# Altium PCB PCB_Rev1.1.PcbDoc (part 1 of 3) (continued)
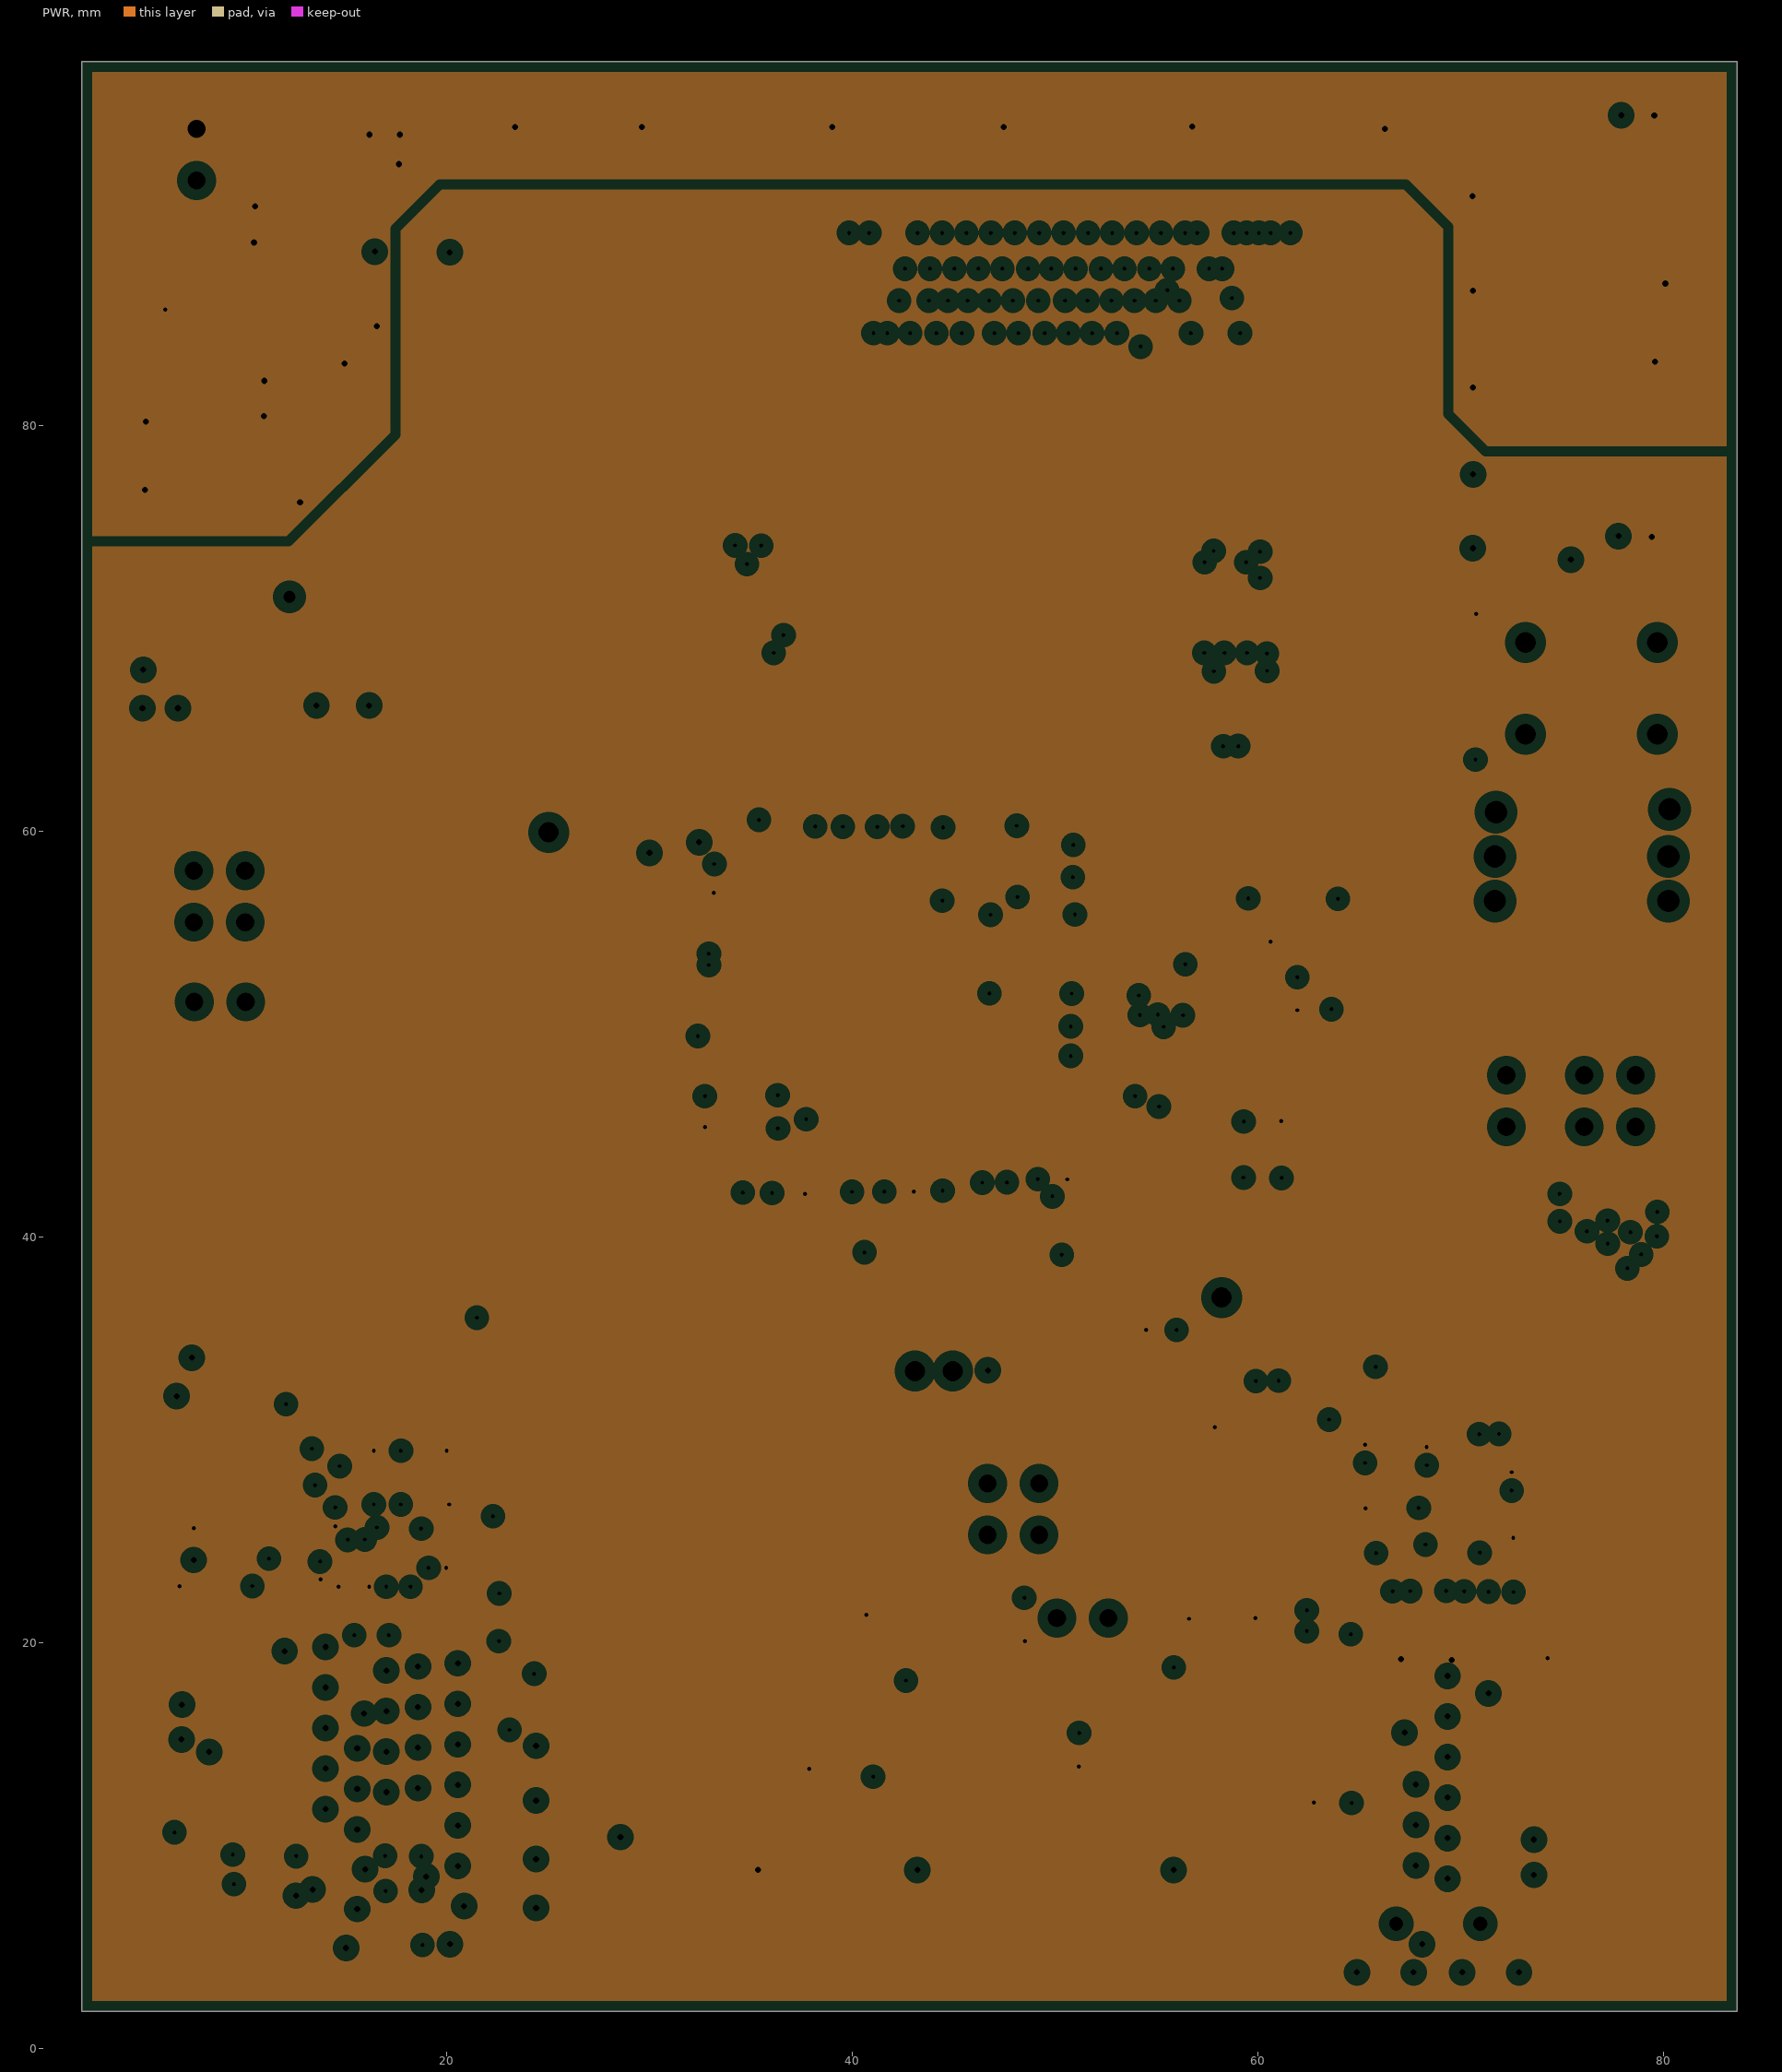
[diagram p3: PWR, clearances drawn from the general rule]

## Layer stack, top to bottom
Top Solder: solder mask 0.0102, Solder Resist, Dk 3.5
Top Layer: signal copper 0.035
Dielectric 1-2: prepreg 0.11, PP-015, Dk 4.29
GND: plane copper 0.035, net GND
Dielectric 2-3: dielectric 1.13, FR-4, Dk 3.96
PWR: plane copper 0.035, net VCC_3V3
Dielectric 3-4: prepreg 0.11, PP-015, Dk 4.29
Bottom Layer: signal copper 0.035
Bottom Solder: solder mask 0.0102, Solder Resist, Dk 3.5

## Board outline
1.994,1.817 83.612,1.817 83.612,97.944 1.994,97.944

## Design rules (kind name [scope] priority, off if disabled: settings)
Clearance PolygonAll [InNamedPolygon('Top Layer-GND') Or  InNamedPolygon('Top Layer-GND 4') Or  InNamedPolygon('Top Layer-GND 3') Or  InNamedPolygon('Top Layer-GND 2')] p1: gap=0.254 ignorepadtopadclearanceinfootprint=FALSE
Clearance [All] p2: gap=0.102 ignorepadtopadclearanceinfootprint=TRUE
ComponentClearance [All] p1: gap=0.025 collisioncheckmode=3 verticalgap=0.254 showdistances=FALSE
DiffPairsRouting DiffPair_Diff90DiffPairsRouting [InDifferentialPairClass('Diff90')] p1: maxlimit=0.127 minlimit=0.127 mostfreqgap=0.127 toplayer_minwidth=0.15 toplayer_maxwidth=0.15 toplayer_prefwidth=0.15 bottomlayer_minwidth=0.15 bottomlayer_maxwidth=0.15 bottomlayer_prefwidth=0.15 impedanceprofiledriven=TRUE impedanceprofileid={36EED981-CA02-47C6-A2B9-BB8A9E5AD734} maxuncoupledlength=12.7
HoleSize [All] p1: absolutevalues=TRUE maxlimit=2.54 minlimit=0.2 maxpercent=80.000 minpercent=20.000
HoleToHoleClearance [All] p1: gap=0.1 allowstackedmicrovias=TRUE
MatchedLengths "Schematic Matched Net Lengths_1" [InNetClass('FT601FIFO')] p1: tolerance=24.5 checknetsindiffpair=FALSE checkdiffpairvsdiffpair=TRUE checkxsignals=TRUE checkothers=TRUE
MatchedLengths "Schematic Matched Net Lengths_42" [InNet('DATA16')] p2: tolerance=5 checknetsindiffpair=FALSE checkdiffpairvsdiffpair=TRUE checkxsignals=TRUE checkothers=TRUE
MatchedLengths "Schematic Matched Net Lengths_41" [InNet('DATA10')] p3: tolerance=5 checknetsindiffpair=FALSE checkdiffpairvsdiffpair=TRUE checkxsignals=TRUE checkothers=TRUE
MatchedLengths "Schematic Matched Net Lengths_40" [InNet('DATA11')] p4: tolerance=5 checknetsindiffpair=FALSE checkdiffpairvsdiffpair=TRUE checkxsignals=TRUE checkothers=TRUE
MatchedLengths "Schematic Matched Net Lengths_39" [InNet('DATA12')] p5: tolerance=5 checknetsindiffpair=FALSE checkdiffpairvsdiffpair=TRUE checkxsignals=TRUE checkothers=TRUE
MatchedLengths "Schematic Matched Net Lengths_38" [InNet('DATA13')] p6: tolerance=5 checknetsindiffpair=FALSE checkdiffpairvsdiffpair=TRUE checkxsignals=TRUE checkothers=TRUE
MatchedLengths "Schematic Matched Net Lengths_37" [InNet('DATA14')] p7: tolerance=5 checknetsindiffpair=FALSE checkdiffpairvsdiffpair=TRUE checkxsignals=TRUE checkothers=TRUE
MatchedLengths "Schematic Matched Net Lengths_36" [InNet('DATA15')] p8: tolerance=5 checknetsindiffpair=FALSE checkdiffpairvsdiffpair=TRUE checkxsignals=TRUE checkothers=TRUE
MatchedLengths "Schematic Matched Net Lengths_35" [InNet('DATA9')] p9: tolerance=5 checknetsindiffpair=FALSE checkdiffpairvsdiffpair=TRUE checkxsignals=TRUE checkothers=TRUE
MatchedLengths "Schematic Matched Net Lengths_24" [InNet('DATA31')] p10: tolerance=5 checknetsindiffpair=FALSE checkdiffpairvsdiffpair=TRUE checkxsignals=TRUE checkothers=TRUE
MatchedLengths "Schematic Matched Net Lengths_22" [InNet('DATA26')] p11: tolerance=5 checknetsindiffpair=FALSE checkdiffpairvsdiffpair=TRUE checkxsignals=TRUE checkothers=TRUE
MatchedLengths "Schematic Matched Net Lengths_21" [InNet('DATA17')] p12: tolerance=5 checknetsindiffpair=FALSE checkdiffpairvsdiffpair=TRUE checkxsignals=TRUE checkothers=TRUE
MatchedLengths "Schematic Matched Net Lengths_20" [InNet('SDAT')] p13: tolerance=5 checknetsindiffpair=FALSE checkdiffpairvsdiffpair=TRUE checkxsignals=TRUE checkothers=TRUE
MatchedLengths "Schematic Matched Net Lengths_19" [InNet('DATA25')] p14: tolerance=5 checknetsindiffpair=FALSE checkdiffpairvsdiffpair=TRUE checkxsignals=TRUE checkothers=TRUE
MatchedLengths "Schematic Matched Net Lengths_18" [InNet('DATA28')] p15: tolerance=5 checknetsindiffpair=FALSE checkdiffpairvsdiffpair=TRUE checkxsignals=TRUE checkothers=TRUE
MatchedLengths DiffPair_Diff90MatchedLengths [InDifferentialPairClass('Diff90')] p16: tolerance=0.127 checknetsindiffpair=TRUE checkdiffpairvsdiffpair=FALSE checkxsignals=FALSE checkothers=FALSE
MatchedLengths DiffPair_MatchedLengths [All] p17: tolerance=1 checknetsindiffpair=TRUE checkdiffpairvsdiffpair=FALSE checkxsignals=FALSE checkothers=FALSE
MatchedLengths DiffPair_MatchedLengths_1 [InDifferentialPair ('USB_D')] p18: tolerance=1 checknetsindiffpair=TRUE checkdiffpairvsdiffpair=FALSE checkxsignals=FALSE checkothers=FALSE
MinimumSolderMaskSliver [All] p1: minsoldermaskwidth=0.1
PlaneClearance [All] p1: clearance=0.508
PlaneConnect [All] p1: planeconnectstyle=Relief reliefexpansion=0.508 reliefentries=4 reliefconductorwidth=0.254 reliefairgap=0.254
PolygonConnect [All] p1: connectstyle=Relief reliefconductorwidth=0.254 reliefentries=4 polygonreliefangle="90 Angle" airgapwidth=0.254
RoutingVias [All] p1: holewidth=0.711 width=1.27 viastyle="Through Hole" minholewidth=0.2 minwidth=0.3 maxholewidth=0.711 maxwidth=1.27
SilkToSilkClearance [All] p1: silktosilkclearance=0.1
SilkToSolderMaskClearance [IsPad] p1: minsilkscreentomaskgap=0.1 clearancetoexposedcopper=TRUE
SolderMaskExpansion [All] p1: expansion=0.102
UnRoutedNet [All] p1: checkbadconnections=TRUE
Width [All] p1: maxlimit=1.37 minlimit=0.014 preferedwidth=0.254
20 further rules are at their usual default settings.

## Classes and differential pairs
net class FT601FIFO: FIFO_BE0 FIFO_BE1 FIFO_BE2 FIFO_BE3 FIFO_CLK FIFO_D0 FIFO_D1 FIFO_D2 FIFO_D3 FIFO_D4 FIFO_D5 FIFO_D6 FIFO_D7 FIFO_D8 FIFO_D9 FIFO_D10 FIFO_D11 FIFO_D12 FIFO_D13 FIFO_D14 FIFO_D15 FIFO_D16 FIFO_D17 FIFO_D18 FIFO_D19 FIFO_D20 FIFO_D21 FIFO_D22 FIFO_D23 FIFO_D24 FIFO_D25 FIFO_D26 FIFO_D27 FIFO_D28 FIFO_D29 FIFO_D30 FIFO_D31 FT_OE FT_RD FT_RXF FT_SIWU FT_TXE FT_WR
net class SLM: DATA0 DATA1 DATA2 DATA3 DATA4 DATA5 DATA6 DATA7 DATA8 DATA9 DATA10 DATA11 DATA12 DATA13 DATA14 DATA15 DATA16 DATA17 DATA18 DATA19 DATA20 DATA21 DATA22 DATA23 DATA24 DATA25 DATA26 DATA27 DATA28 DATA29 DATA30 DATA31 INVERT NetJ3_17 R\E\S\E\T\ SCK SDAT SEN SLM_CLK SOUT SYNC UPDATE VALID
differential pair class Diff90: D ROD TD TD1 USB_D
component class USB_SPI: C15 C16 C17 C19 C22 C25 C45 C46 C49 C52 C53 C60 C61 C63 C67 C68 C72 C75 C76 J1 L1 L2 R5 R7 R8 R11 R12 R13 R16 R24 RN1 RN2 U6 U7 U10 X3
component class FT601: * *1 C18 C20 C23 C24 C26 C43 C44 C47 C48 C50 C51 C54 C55 C56 C57 C58 C59 C62 C64 C65 C66 C69 C70 C71 D1 D2 L3 LED6 P4 R4 R9 R10 R19 R20 R28 R29 R30 R31 R36 R39 RN3 RN4 RN5 RN7 RN8 TP5 U8 X2
component class FPGA_SLM: C14 C74 J3 P5 R25 R37 R38 R41 R42 R43 R44 R45 R46 R47 RN6 RN9 RN10 RN11 S1 tp6 tp7 U5 X1
component class FPGA_Power_SPI: C1 C2 C3 C4 C5 C6 C7 C8 C9 C10 C11 C12 C13 C21 C27 C28 C29 C30 C31 C32 C33 C34 C35 C36 C37 C38 C39 C40 C41 C42 D3 LED1 LED2 LED3 LED4 LED5 P1 P2 P3 P6 R1 R2 R3 R14 R15 R17 R18 R21 R22 R23 R26 R27 R32 R33 R34 R35 TP1 TP2 TP3 TP4 U1 U2 U3 U4 U9
differential pair D: +D_P -D_N
differential pair TD1: +TD1_P -TD1_N
differential pair USB_D: +USB_D_P -USB_D_N
differential pair TD: +TD_P -TD_N
differential pair ROD: +ROD_P -ROD_N

## Components (designator, comment, footprint, x,y, rotation, side; value= is the part's Value field where it differs from the comment)
C1 "C0603C475K9PAC7411" Cap_4.7uF 78.738,93.98 r0 top value=4.7uF
C2 "C1608X5R0J106K080AE" Cap_10uF 12.586,90.736 r0 top value=10uF
C3 "AC0603KRX7R9BB104" Cap_0.1uF 12.623,89.085 r0 top value=0.1uF
C4 "C0603C475K9PAC7411" Cap_4.7uF 79.321,87.92 r0 top value=4.7uF
C5 "AC0603KRX7R9BB104" Cap_0.1uF 8.868,86.61 r90 top value=0.1uF
C6 "C1608X5R0J106K080AE" Cap_10uF 7.218,86.549 r90 top value=10uF
C7 "C0402S471K3RACAUTO" CAP_470pF 16.536,86.242 r90 top value=470pF
C8 "C1608X5R0J106K080AE" Cap_10uF 8.917,82.236 r180 top value=10uF
C9 "C0603C475K9PAC7411" Cap_4.7uF 78.904,81.827 r0 top value=4.7uF
C10 "AC0603KRX7R9BB104" Cap_0.1uF 8.917,80.458 r180 top value=0.1uF
C11 "C0603C475K9PAC7411" Cap_4.7uF 78.578,75.784 r180 top value=4.7uF
C12 "AC0603KRX7R9BB104" Cap_0.1uF 12.635,69.625 r180 top value=0.1uF
C13 "C1608X5R0J106K080AE" Cap_10uF 12.646,67.72 r180 top value=10uF
C14 "AC0603KRX7R9BB104" Cap_0.1uF 60.695,51.928 r270 top value=0.1uF
C15 "AC0603KRX7R9BB104" Cap_0.1uF 55.27,34.014 r180 top value=0.1uF
C16 "CC0402KPX5R6BB104" CAP_0.1UF_0402 61.036,31.282 r270 top value="0.1 uF"
C17 "C1005X5R0J475K050BC" CAP_4.7uF_0402 59.908,31.267 r270 top value=4.7uF
C18 "C0603C180K5RACAUTO" CAP_18pF_0603 6.963,18.97 r90 top value="18 pF"
C19 "CC0402KPX5R6BB104" CAP_0.1UF_0402 70.92,18.285 r180 top value="0.1 uF"
C20 "C0603C180K5RACAUTO" CAP_18pF_0603 10.394,14.564 r0 top value="18 pF"
C21 "AC0603KRX7R9BB104" Cap_0.1uF 47.397,21.181 r270 top value=0.1uF
C22 "AC0603KRX7R9BB104" Cap_0.1uF 63.748,13.67 r180 top value=0.1uF
C23 "CC0402KPX5R6BB104" CAP_0.1UF_0402 17.26,11.057 r90 top value="0.1 uF"
C24 "CC0402KPX5R6BB104" CAP_0.1UF_0402 18.35,11.057 r90 top value="0.1 uF"
C25 "AC0603KRX7R9BB104" Cap_0.1uF 71.811,8.606 r0 top value=0.1uF
C26 "AC0603KRX7R9BB104" Cap_0.1uF 10.736,8.836 r270 top value=0.1uF
C27 "AC0603KRX7R9BB104" Cap_0.1uF 44.506,58.426 r270 bottom value=0.1uF
C28 "AC0603KRX7R9BB104" Cap_0.1uF 41.86,59.229 r180 bottom value=0.1uF
C29 "AC0603KRX7R9BB104" Cap_0.1uF 38.741,59.222 r180 bottom value=0.1uF
C30 "AC0603KRX7R9BB104" Cap_0.1uF 49.765,58.499 r270 bottom value=0.1uF
C31 "AC0603KRX7R9BB104" Cap_0.1uF 48.133,58.483 r270 bottom value=0.1uF
C32 "AC0603KRX7R9BB104" Cap_0.1uF 34.293,57.43 r90 bottom value=0.1uF
C33 "AC0603KRX7R9BB104" Cap_0.1uF 48.891,55.863 r180 bottom value=0.1uF
C34 "AC0603KRX7R9BB104" Cap_0.1uF 48.777,52.047 r180 bottom value=0.1uF
C35 "AC0603KRX7R9BB104" Cap_0.1uF 49.606,49.603 r270 bottom value=0.1uF
C36 "AC0603KRX7R9BB104" Cap_0.1uF 34.505,46.991 r0 bottom value=0.1uF
C37 "AC0603KRX7R9BB104" Cap_0.1uF 34.475,45.38 r0 bottom value=0.1uF
C38 "AC0603KRX7R9BB104" Cap_0.1uF 37.649,43.974 r90 bottom value=0.1uF
C39 "AC0603KRX7R9BB104" Cap_0.1uF 49.77,43.911 r180 bottom value=0.1uF
C40 "AC0603KRX7R9BB104" Cap_0.1uF 43.772,43.283 r0 bottom value=0.1uF
C41 "AC0603KRX7R9BB104" Cap_0.1uF 40.658,43.283 r180 bottom value=0.1uF
C42 "AC0603KRX7R9BB104" Cap_0.1uF 35.274,43.3 r0 bottom value=0.1uF
C43 "C1005X5R0J475K050BC" CAP_4.7uF_0402 11.539,30.733 r90 bottom value=4.7uF
C44 "CC0402KPX5R6BB104" CAP_0.1UF_0402 12.588,30.731 r90 bottom value="0.1 uF"
C45 "CC0402KPX5R6BB104" CAP_0.1UF_0402 66.133,29.328 r90 bottom value="0.1 uF"
C46 "CC0402KPX5R6BB104" CAP_0.1UF_0402 69.21,29.227 r90 bottom value="0.1 uF"
C47 "C0402C682K5RECAUTO" CAP_6700pF_0402 14.176,28.197 r90 bottom value="6800 pF"
C48 "CC0402KPX5R6BB104" CAP_0.1UF_0402 15.245,28.205 r90 bottom value="0.1 uF"
C49 "CC0402KPX5R6BB104" CAP_0.1UF_0402 71.284,29.465 r180 bottom value="0.1 uF"
C50 "CC0402KPX5R6BB104" CAP_0.1UF_0402 18.81,28.716 r180 bottom value="0.1 uF"
C51 "CC0402KPX5R6BB104" CAP_0.1UF_0402 16.369,28.22 r270 bottom value="0.1 uF"
C52 "CC0402KPX5R6BB104" CAP_0.1UF_0402 71.742,27.928 r90 bottom value="0.1 uF"
C53 "CC0402KPX5R6BB104" CAP_0.1UF_0402 66.566,26.65 r180 bottom value="0.1 uF"
C54 "CC0402KPX5R6BB104" CAP_0.1UF_0402 18.971,27.046 r180 bottom value="0.1 uF"
C55 "CC0402KPX5R6BB104" CAP_0.1UF_0402 13.563,25.918 r90 bottom value="0.1 uF"
C56 "CC0402KPX5R6BB104" CAP_0.1UF_0402 19.3,25.153 r270 bottom value="0.1 uF"
C57 "C0402C682K5RECAUTO" CAP_6700pF_0402 20.355,25.149 r270 bottom value="6800 pF"
C58 "C1005X5R0J475K050BC" CAP_4.7uF_0402 17.748,25.634 r180 bottom value=4.7uF
C59 "AC0603KRX7R9BB104" Cap_0.1uF 9.61,24.13 r0 bottom value=0.1uF
C60 "C1005X5R0J475K050BC" CAP_4.7uF_0402 67.068,24.413 r180 bottom value=4.7uF
C61 "C1005X5R0J475K050BC" CAP_4.7uF_0402 69.693,24.409 r180 bottom value=4.7uF
C62 "CC0402KPX5R6BB104" CAP_0.1UF_0402 17.739,24.552 r180 bottom value="0.1 uF"
C63 "CC0402KPX5R6BB104" CAP_0.1UF_0402 72.6,23.764 r90 bottom value="0.1 uF"
C64 "CC0402KPX5R6BB104" CAP_0.1UF_0402 16.126,23.977 r90 bottom value="0.1 uF"
C65 "CC0402KPX5R6BB104" CAP_0.1UF_0402 14.868,23.977 r90 bottom value="0.1 uF"
C66 "CC0402KPX5R6BB104" CAP_0.1UF_0402 12.694,23.519 r90 bottom value="0.1 uF"
C67 "CC0402KPX5R6BB104" CAP_0.1UF_0402 69.702,23.348 r180 bottom value="0.1 uF"
C68 "CC0402KPX5R6BB104" CAP_0.1UF_0402 67.07,23.35 r180 bottom value="0.1 uF"
C69 "C0402C682K5RECAUTO" CAP_6700pF_0402 17.747,23.494 r180 bottom value="6800 pF"
C70 "CC0402KPX5R6BB104" CAP_0.1UF_0402 19.76,22.762 r180 bottom value="0.1 uF"
C71 "C1005X5R0J475K050BC" CAP_4.7uF_0402 22.592,21.238 r270 bottom value=4.7uF
C72 "CC0402KPX5R6BB104" CAP_0.1UF_0402 63.315,21.092 r90 bottom value="0.1 uF"
C74 "AC0603KRX7R9BB104" Cap_0.1uF 70.759,65.506 r90 top value=0.1uF
C75 "CC0402KPX5R6BB104" Cap_0.1uF_0402 61.116,44.221 r90 bottom value="0.1 uF"
C76 "CC0402KPX5R6BB104" Cap_0.1uF_0402 59.265,44.305 r90 bottom value="0.1 uF"
D1 "PGB1010402KR" ESD_Suppressor 15.752,9.478 r180 top
D2 "PGB1010402KR" ESD_Suppressor 13.831,9.461 r0 top
D3 "CDBU0520" SchottkyDiode_CDBU0520 52.424,58.499 r90 bottom
J1 "629105136821" 629105136821 68.888,3.682 r0 top
J2 "692622030100" 692622030100 14.951,3.729 r0 top locked
J3 "FH39A-67S-0.3SHW(10)" Hirose_connector 50.71,86.97 r0 bottom locked
L1 "742863160" FerriteBeads 70.75,20.837 r180 bottom
L2 "742863160" FerriteBeads 67.845,20.832 r180 bottom
L3 "BLM18PG300SZ1D" FerriteBeads 12.787,32.665 r180 bottom value=30R@100MHz/1A
LED1 "TLMS1000-GS08" LED_RED 41.041,8.787 r0 top
LED2 "TLMS1000-GS08" LED_RED 77.871,61.023 r0 top
LED3 "TLMS1000-GS08" LED_RED 77.817,58.7 r0 top
LED4 "TLMS1000-GS08" LED_RED 77.817,56.607 r0 top
LED5 "TLMS1000-GS08" LED_RED 46.722,36 r270 top
LED6 "TLMS1000-GS08" LED_RED 28.507,12.519 r270 top
LED7 "TLMS1000-GS08" LED_RED 58.069,8.787 r180 top
P1 "Header 2" HDR1X2 7.646,92.087 r90 top
P2 "Header 4" HDR2X2 46.661,27.842 r270 top
P3 "Header 2" HDR1X2 52.618,21.202 r180 top
P4 "Header 2" HDR1X2 10.073,51.591 r180 top
P5 "Header 2" HDR1X2 72.245,45.427 r90 top
P6 "Header 4" HDR2X2 7.512,55.511 r0 top
P7 "Header 4" HDR2X2 78.621,45.427 r90 top
R1 "RT0603FRE13680RL" RES_680 14.936,87.833 r90 top value=680
R2 "CRCW06032K20JNEAC" RES_2.2K 14.952,84.773 r90 top value=2.2K
R3 "RT0603FRE13680RL" RES_680 37.612,8.787 r0 top value=680
R4 "ERJ2RKD33R0X" Res_33_0402 21.461,34.724 r90 top value=33
R5 "RT0603WRE0710KL" RES_10K 57.87,29.004 r90 top value=10K
R6 "CRCW06032K20JNEAC" RES_2.2K 57.858,25.769 r270 top value=2.2K
R7 "RT0603WRE0710KL" RES_10K 59.886,23.101 r270 top value=10K
R8 "RT0603WRE0710KL" RES_10K 57.871,22.049 r270 top value=10K
R9 "RT0603WRE0710KL" RES_10K 22.308,18.45 r180 top value=10K
R10 "ERJ-3RBD1601V" RES_1.6K 15.917,18.302 r90 top value=1.6K
R11 "CRCW06032K20JNEAC" RES_2.2K 73.512,18.093 r180 top value=2.2K
R12 "AC0603FR-1012KL" RES_12K 67.262,17.266 r90 top value=12K
R13 "CRCW06030000Z0EAC" RES_0 57.853,18.787 r180 top value=0
R14 "RT0603WRE0710KL" RES_10K 41.469,20.158 r180 top value=10K
R15 "RT0603WRE0710KL" RES_10K 50.181,17.708 r90 top value=10K
R16 "CRCW06030000Z0EAC" RES_0 71.811,10.207 r0 top value=0
R17 "RT0603WRE0710KL" RES_10K 38.932,14.65 r270 top value=10K
R18 "RT0603WRE0710KL" RES_10K 50.108,14.65 r270 top value=10K
R19 "AC0603JR-134K7L" RES_4.7K 22.311,16.877 r0 top value=4.7K
R20 "SR0603KR-07100KL" RES_100K 9.604,25.697 r0 bottom value=100K
R21 "RT0603FRE13680RL" RES_680 74.269,61.05 r0 top value=680
R22 "RT0603FRE13680RL" RES_680 74.215,58.7 r0 top value=680
R23 "RT0603FRE13680RL" RES_680 74.215,56.622 r0 top value=680
R24 "CRCW06030000Z0EAC" RES_0 57.74,39.801 r0 top value=0
R25 "RT0603WRE0710KL" RES_10K 70.761,68.756 r90 top value=10K
R26 "RT0603FRE13680RL" RES_680 43.679,44.959 r0 bottom value=680
R27 "RT0603WRE0710KL" RES_10K 46.753,44.957 r0 bottom value=10K
R28 "ERJ2RKD33R0X" Res_33_0402 7.38,32.748 r90 top value=33
R29 "ERJ2RKD33R0X" Res_33_0402 6.733,30.873 r90 top value=33
R30 "CRCW06030000Z0EAC" RES_0 6.579,8.845 r90 top value=0
R31 "CRCW06030000Z0EAC" RES_0 24.391,5.127 r90 top value=0
R32 "CRCW06030000Z0EAC" RES_0 75.622,87.912 r0 top value=0
R33 "CRCW06030000Z0EAC" RES_0 75.623,81.88 r0 top value=0
R34 "CRCW06030000Z0EAC" RES_0 6.193,82.965 r270 top value=0
R35 "CRCW06030000Z0EAC" RES_0 6.491,89.02 r180 top value=0
R36 "RT0603FRE13680RL" RES_680 28.482,16.028 r270 top value=680
R37 "CRCW06030000Z0EAC" RES_0 59.702,70.656 r90 top value=0
R38 "CRCW06030000Z0EAC" RES_0 58.349,66.116 r90 top value=0
R39 "RT0603WRE0710KL" RES_10K 8.642,22.805 r0 top value=10K
R40 "CRCW06030000Z0EAC" RES_0 57.522,70.594 r90 top value=0
R41 "CRCW06030000Z0EAC" RES_0 59.892,66.116 r90 top value=0
R42 "CRCW06030000Z0EAC" RES_0 56.808,66.116 r90 top value=0
R43 "CRCW06030000Z0EAC" RES_0 37.005,66.116 r90 top value=0
R44 "CRCW06030000Z0EAC" RES_0 35.412,66.116 r90 top value=0
R45 "CRCW06030000Z0EAC" RES_0 34.762,70.586 r90 top value=0
R46 "CRCW06030000Z0EAC" RES_0 33.796,66.116 r90 top value=0
R47 "CRCW06030000Z0EAC" RES_0 32.179,66.116 r90 top value=0
R48 "RT0603FRE13680RL" RES_680 62.053,8.787 r180 top value=680
RN1 "EXB-2HVR000V" RESARRAY_0 68.48,36.486 r90 top value="0 Ohm"
RN2 "EXB-2HVR000V" RESARRAY_0 77.82,36.468 r90 top value="0 Ohm"
RN3 "EXB-2HV330JV" RESARRAY_0 14.183,35.316 r90 top value="33 Ohms"
RN4 "EXB-2HV330JV" RESARRAY_0 18.556,35.316 r90 top locked value="33 Ohms"
RN5 "EXB-2HV330JV" RESARRAY_0 9.805,35.316 r90 top value="33 Ohms"
RN6 "EXB-2HV330JV" ResArray_0 49.22,66.116 r90 top value="33 Ohms"
RN7 "EXB-2HV330JV" RESARRAY_0 26.618,28.683 r0 top value="33 Ohms"
RN8 "EXB-2HV330JV" RESARRAY_0 26.618,24.234 r0 top value="33 Ohms"
RN9 "EXB-2HV330JV" ResArray_0 44.681,66.116 r90 top value="33 Ohms"
RN10 "EXB-2HV330JV" ResArray_0 40.069,66.116 r90 top value="33 Ohms"
RN11 "EXB-2HV330JV" ResArray_0 53.754,66.116 r90 top value="33 Ohms"
S1 "SKU : COM-00097SMT- SWCH-08247" TACTILE-PTH 76.436,67.042 r0 top locked
TP1 "testpoint" testpoint#1 75.834,92.149 r90 top
TP2 "testpoint" testpoint#1 20.125,86.998 r90 top
TP3 "testpoint" testpoint#1 75.415,75.823 r90 top
TP4 "testpoint" testpoint#1 11.768,66.131 r90 top
TP5 "testpoint" testpoint#2 28.397,19.895 r90 top
TP6 "testpoint" testpoint#1 55.782,90.864 r90 top (schematic designator tp6)
TP7 "testpoint" testpoint#1 26.841,59.933 r90 top (schematic designator tp7)
TP8 "Testpoint" testpoint#3 43.06,35.179 r90 top
TP9 "Testpoint" testpoint#1 44.876,35.165 r90 top
U1 "MCP1700T-1202E/TT" MIC_LDO_1V2 79.006,90.953 r270 top value=1.2V
U2 "MIC5205YM5-TR" MIC5205YM5 11.918,86.32 r0 top
U3 "MCP1700T-3302E/TT" MIC_LDO_3V3 78.572,78.868 r90 top value=3.3V
U4 "LM1117MP-2.5/NOPB" LM1117MP-2.5/NOPB 10.441,74.908 r270 top
U5 "ICE40HX4K-TQ144" LATC-TQFP-144_L 41.853,51.201 r0 top locked
U6 "FT2232HL-Reel" LQFP-64_N 69.066,26.396 r90 top locked
U7 "93LC56BT-E/MS" EEPROM 54.937,29.184 r90 top
U8 "FT601Q-B-T" FT601_NoGND_Pad 16.789,26.111 r0 top locked